# Altium PCB VNA_v5.PcbDoc (part 2 of 3)
Units mm, origin at the board's own origin, x right, y up, seen from the top; angles counter-clockwise.
Board outline 179 x 180 mm, 2 copper layers (Top Layer, Bottom Layer), stack 1.601 mm thick; 281 components, 184 nets, 845 pads, 2024 vias.
Unrouted connection lines stored in the file: 5.
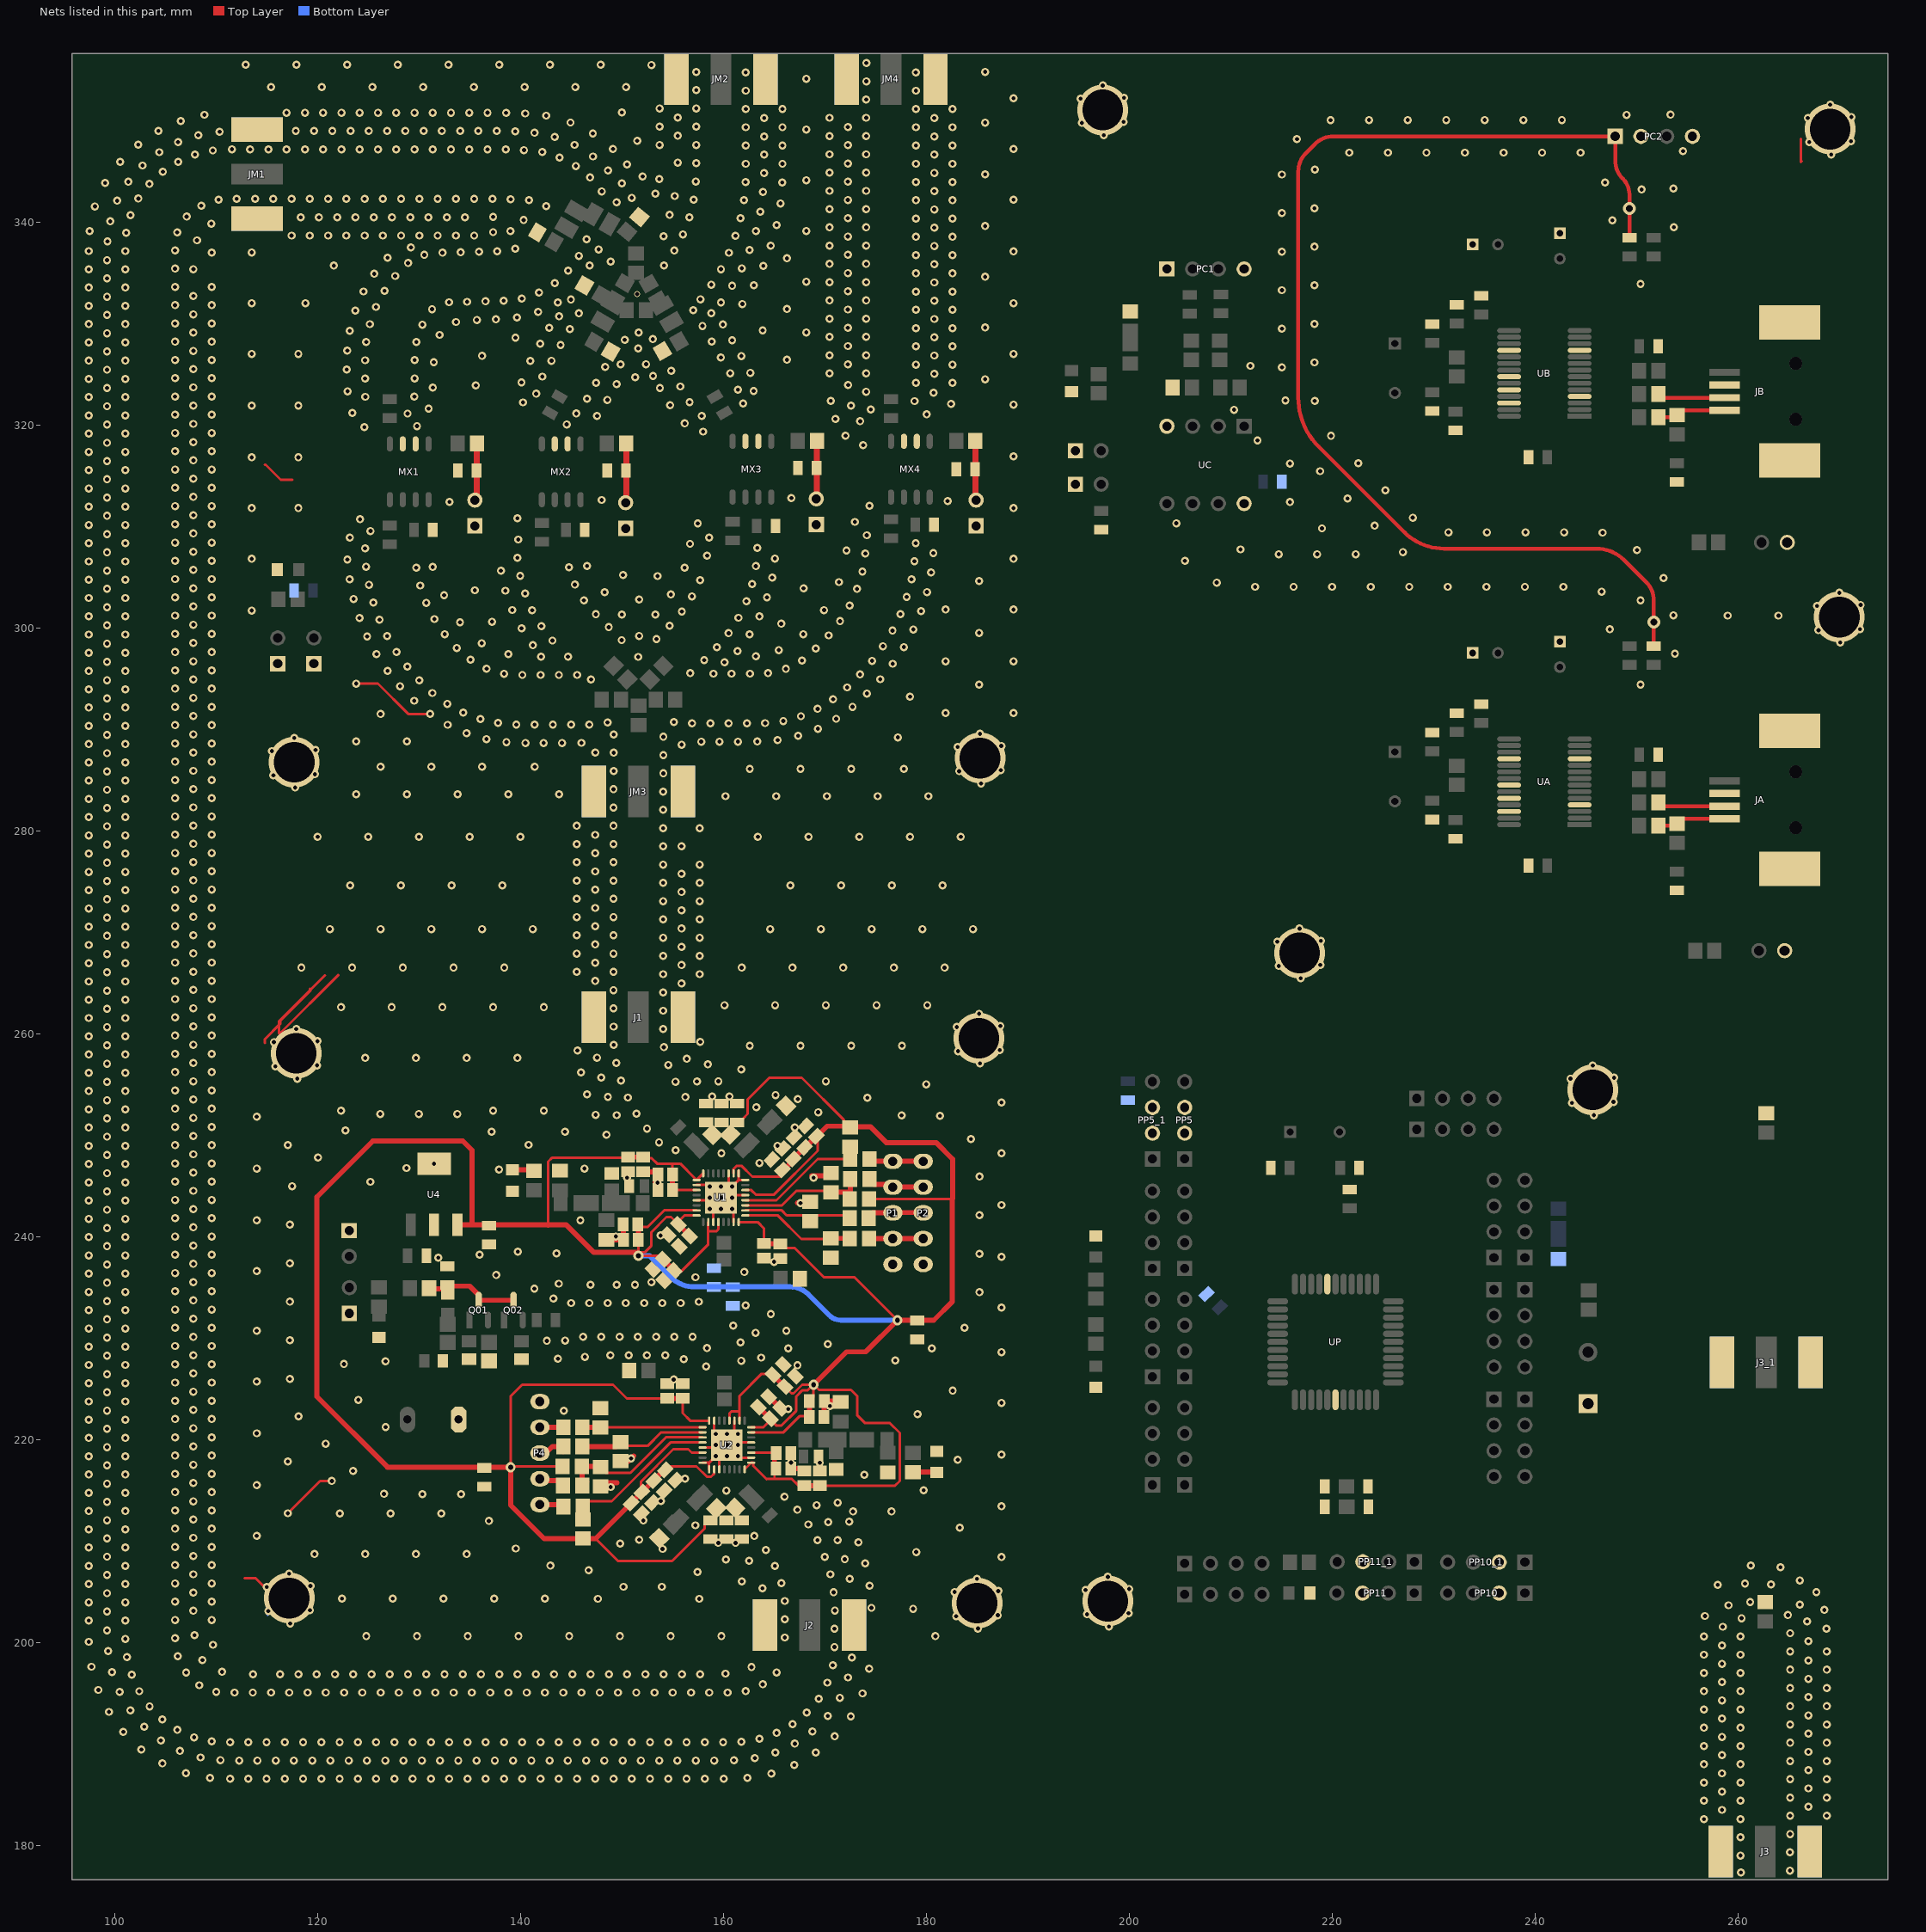
[diagram p2: the nets of this part, all layers, seen from the top]

## Via types
v1: diameter 0.8, hole 0.4, Top Layer to Bottom Layer, 1978 vias
v2: diameter 0.6, hole 0.4, Top Layer to Bottom Layer, 19 vias
v3: diameter 5, hole 4, Top Layer to Bottom Layer, 12 vias
v4: diameter 1, hole 0.5, Top Layer to Bottom Layer, 8 vias
v5: diameter 1.27, hole 0.711, Top Layer to Bottom Layer, 7 vias

## Nets (pads, with @x,y where several pads share a name; then routed paths per layer and width w, separated by ;. In a path a pad name is that pad's centre, name@x,y a point inside that pad or via, vN(x,y) a via of type N, cw(c..) or ccw(c..) an arc to the next point about the centre after c; other vN are vias at no path point)
AVDD1: C05.2 C07.1 C08.1 C09.2 C10.1 C11.1 C12.1 C16.1 C17.1 C18.1 C19.1 C21.1 C22.1 C26.1 C27.1 C28.1 C29.1 C110.1 C111.1 C112.1 C113.1 C114.1 C115.1 C117.1 C118.1 C119.1 C120.1 C123.1 C124.1 C125.1 C210.1 C211.1 C212.1 C213.1 C214.1 C215.1 C217.1 C218.1 C219.1 C220.1 C223.1 C224.1 C225.1 R15.2 R17.1 R25.2 R27.1 R43.2 R48.2 R413.2 R419.2 U1.6 U1.10 U1.16 U1.17 U1.19 U1.23 U1.24 U1.26 U1.28 U1.32 U2.6 U2.10 U2.16 U2.17 U2.19 U2.23 U2.24 U2.26 U2.28 U2.32 U4.3 | length 440.5
  Top Layer w0.254: v4(139.02,217.26) 139.02,224.24 140.16,225.38 149.13,225.38 150.476,224.034 C219.1@154.46,224.034 ; v4@139.04,217.24 v4@139.04,217.28 ; v4@139.1,217.34 R413.2@144.16,217.34 ; 142.73,241.16 142.73,247.381 143.129,247.78 C19.1@150.59,247.78 ; 147.404,210.22 149.604,208.02 154.948,208.02 158.167,211.239 158.167,211.677 158.515,212.025 C225.1@158.74,212.025 ; C22.1@150.897,213.713 151.392,214.208 ; C113.1@151.55,240.89 C113.1@151.616,240.824 ; v4@151.606,238.584 C112.1@151.606,239.65 ; v4(151.61,238.11) C117.1@153.709,238.11 ; v4@151.61,238.423 152.227,238.423 152.91,239.106 152.91,240.44 154.38,241.91 ; C113.1@151.64,240.96 152.56,240.96 154.173,242.573 U1.23@157.358,242.573 ; C21.1@151.887,214.703 151.887,215.857 155.057,219.027 156.543,219.027 156.873,218.697 U2.6@157.943,218.697 ; C18.1@152.64,247.72 152.921,247.72 153.461,247.18 154.98,247.18 ; C27.1@153.127,215.623 C27.1@153.227,215.623 ; C117.1@154.067,237.724 C117.1@154.067,237.753 ; C26.1@154.197,217.013 C26.1@154.267,217.013 154.598,217.345 157.345,217.345 158.37,216.32 158.405,216.32 158.78,216.32 159.093,216.633 U2.10@159.093,217.047 ; 154.38,241.92 154.84,241.92 C115.1@155.565,241.195 ; C111.1@154.98,246.136 154.98,247.18 ; C110.1@155,244.58 C110.1@155.076,244.58 ; C110.1@155.076,244.573 U1.19@157.358,244.573 ; C118.1@155.198,236.593 155.244,236.547 155.836,236.547 158.508,239.218 158.508,240.525 ; C115.1@155.545,241.455 156.163,242.073 U1.24@157.358,242.073 ; C220.1@155.986,223.703 155.986,222.584 156.723,221.847 U2.32@158.593,221.847 ; C114.1@156.567,240.433 C114.1@156.663,240.433 ; U1.16@158.008,246.223 U1.17@157.358,245.573 157.356,245.575 157.18,245.575 157.18,245.751 155.751,247.18 154.98,247.18 ; U1.26@158.508,241.423 158.508,240.525 ; U1.28@159.508,241.423 159.506,241.421 159.506,240.711 159.319,240.525 158.508,240.525 ; U2.28@160.59,221.92 160.59,222.554 160.781,222.745 161.593,222.745 ; U1.10@161.008,246.223 161.008,246.663 161.319,246.975 161.775,246.975 162.853,245.897 C16.1@165.66,245.897 ; C125.1@161.36,251.245 161.585,251.245 161.933,251.593 161.933,251.626 162.387,252.08 162.387,253.507 164.52,255.64 167.73,255.64 171.867,251.503 171.867,251.323 172.44,250.75 R43.2@172.495,250.75 ; U1.32@161.508,241.423 163.377,241.423 164,240.8 C120.1@164,239.326 ; U2.26@161.593,221.847 161.593,222.745 ; U2.16@162.093,217.047 U2.17@162.68,217.634 ; U1.6@162.158,244.573 162.757,244.573 163.23,244.1 164.955,244.1 169.3,248.445 C12.1@169.3,249.71 ; U2.17@162.743,217.697 162.928,217.697 162.93,217.695 162.93,217.4 164.25,216.08 ; U2.19@162.743,218.697 C210.1@165.024,218.697 ; U2.23@162.743,220.697 165.927,220.697 167.54,222.31 C213.1@168.474,222.31 ; U2.24@162.743,221.197 163.937,221.197 C215.1@164.555,221.815 ; C214.1@163.437,223.187 C214.1@163.467,223.187 ; 164.25,216.09 166.76,216.09 167.406,215.444 C28.1@168,215.444 ; C120.1@164.476,239.371 164.523,239.323 164.529,239.323 C120.1@164.577,239.276 ; C215.1@164.772,221.815 165.237,221.35 165.72,221.35 ; C218.1@164.869,226.358 164.767,226.461 163.761,226.461 161.593,224.293 161.593,222.745 ; 165.034,216.136 C211.1@165.034,217.11 ; C119.1@165.6,239.276 165.996,238.88 167.01,238.88 169.89,236 172.9,236 v4(177.15,231.75) ; 165.72,221.36 167.19,222.83 167.19,224.24 167.799,224.849 168.319,224.849 v4@168.86,225.39 ; C217.1@166.029,225.199 C217.1@166.057,225.199 166.713,224.543 166.923,224.543 167.77,225.39 v4@168.86,225.39 ; C217.1@166.128,224.817 C217.1@166.128,224.908 ; C212.1@168.484,223.79 168.885,224.19 v4@168.885,225.385 ; C29.1@169.51,215.444 176.924,215.444 177.38,215.9 177.38,220.637 176.418,221.6 173.97,221.6 173.171,222.399 173.171,224.279 172.57,224.88 169.412,224.88 168.902,225.39 v4(168.89,225.39) v4@168.86,225.39 ; R48.2@174.37,243.7 182.565,243.7 182.59,243.725
  Top Layer w0.5: U4.3@133.78,241.16 135.22,241.16 ; v4@139.04,217.24 139.04,213.51 142.33,210.22 R419.2@146.15,210.22 147.404,210.22 C22.1@150.897,213.713 ; v4@139.1,217.34 139.04,217.28 v4(139.02,217.26) 126.89,217.26 119.93,224.22 119.93,243.89 125.45,249.41 134.31,249.41 135.22,248.5 135.22,241.16 ; 142.73,241.115 142.765,241.15 ; C19.1@150.59,247.826 C18.1@152.016,247.826 ; 151.392,214.208 151.887,214.703 C26.1@154.197,217.013 ; v4@151.445,238.423 147.227,238.423 144.49,241.16 142.73,241.16 135.22,241.16 ; C112.1@151.616,239.65 C113.1@151.616,240.824 ; C117.1@154.067,237.724 C118.1@155.12,236.671 ; C219.1@154.46,224.034 C220.1@155.97,224.034 ; C110.1@154.98,244.6 C111.1@154.98,245.92 ; C115.1@155.563,241.193 C114.1@156.679,240.078 ; C214.1@163.467,223.187 C215.1@164.627,222.027 ; C120.1@164.577,239.276 C119.1@165.6,239.276 ; C218.1@164.869,226.358 C217.1@166.029,225.199 ; C211.1@165.034,217.206 C210.1@165.034,218.64 ; C16.1@165.865,246.495 C17.1@166.945,247.575 ; C17.1@166.883,247.647 C11.1@168.003,248.767 168.053,248.767 C12.1@169.153,249.867 169.207,249.867 170.22,250.88 R43.2@172.295,250.88 ; C28.1@168,215.444 C29.1@169.51,215.444 ; C213.1@168.484,222.24 C212.1@168.484,223.79 ; v4(168.89,225.39) 172.13,228.63 174.03,228.63 v4(177.15,231.75) 180.74,231.75 182.565,233.575 182.565,243.7 ; R43.2@172.47,250.83 174.48,250.83 176.05,249.26 180.97,249.26 182.59,247.64 182.59,243.725
  Bottom Layer w0.5: v4(151.61,238.11) 152.71,238.11 154.857,235.963 ccw(c157.097,238.203) 157.097,235.035 160.93,235.035 166.583,235.035 cw(c166.583,232.495) 168.379,234.291 170.44,232.23 ccw(c171.599,233.389) 171.599,231.75 v4(177.15,231.75)
CE1: R42.1 R43.1 U1.4 | length 12.6
  Top Layer w0.254: U1.4@162.158,243.573 165.226,243.573 169.293,247.64 R42.1@172.48,247.64 R42.1@172.31,247.81 ; R42.1@172.5,247.75 R42.1@172.77,247.48
CE1A: P1.1 P2.1 R42.2 | length 5.4
  Top Layer w0.5: R42.2@174.36,247.62 174.568,247.412 P1.1@176.7,247.412 P2.1@179.7,247.412
CE2: R418.1 R419.1 U2.4 | length 14
  Top Layer w0.254: R418.1@146.13,212.92 R418.1@146.21,212.84 ; R418.1@146.45,213.91 149,213.91 154.787,219.697 U2.4@157.943,219.697
CE2A: P4.5 R418.2 | length 2.3
  Top Layer w0.254: R418.2@144.06,213.57 R418.2@144.18,213.45
  Top Layer w0.5: P4.5@141.91,213.57 R418.2@144.06,213.57
CLK1: R44.1 R45.2 U1.1 | length 11.7
  Top Layer w0.254: U1.1@162.158,242.073 165.377,242.073 167.69,239.76 R45.2@171.22,239.76
  Top Layer w0.5: R45.2@171.16,239.82 R44.1@172.81,239.82
CLK1A: P1.4 P2.4 R44.2 | length 5.1
  Top Layer w0.5: R44.2@174.572,239.792 P1.4@176.7,239.792 P2.4@179.7,239.792
CLK2: R416.2 R417.1 U2.1 | length 12.1
  Top Layer w0.254: R417.1@146.12,221.24 R417.1@146.16,221.2 ; R416.2@147.77,221.2 U2.1@157.939,221.2 ; U2.1@157.943,221.197 U2.1@158.22,221.197
  Top Layer w0.5: R417.1@146.16,221.2 R416.2@147.77,221.2
CLK2A: P4.2 R417.2 | length 2.3
  Top Layer w0.254: P4.2@141.89,221.41 P4.2@141.9,221.42 ; R417.2@144.17,221.19 R417.2@144.22,221.24
  Top Layer w0.5: P4.2@141.91,221.19 R417.2@144.17,221.19
CLK2B: 
DA+: JA.3 RA1.1 RA3.2 | length 6.8
  Top Layer w0.381: RA1.1@252.156,280.501 253.939,280.501 254,280.562 254,280.582 254.585,281.166 JA.3@258.7,281.166
DA-: JA.2 RA2.2 | length 6.7
  Top Layer w0.381: RA2.2@252.156,282.787 252.527,282.416 JA.2@258.7,282.416
DATA1: R46.1 R47.2 U1.2 | length 11.1
  Top Layer w0.254: U1.2@162.158,242.573 165.747,242.573 166.23,242.09 168.92,242.09 172.15,242.09 R46.1@172.43,241.81 ; R47.2@168.56,241.69 R47.2@168.93,242.06
DATA1A: P1.3 P2.3 R46.2 | length 5.5
  Top Layer w0.254: R46.2@174.298,241.611 R46.2@174.679,241.992
  Top Layer w0.5: R46.2@174.709,242.332 P1.3@176.73,242.332 ; P1.3@176.73,242.36 P2.3@179.7,242.36
DATA2: R414.2 R415.1 U2.2 | length 13.2
  Top Layer w0.254: R415.1@146.11,219.3 R415.1@146.53,219.72 ; R414.2@150.02,219.703 150.373,219.35 152.53,219.35 153.877,220.697 U2.2@157.943,220.697
  Top Layer w0.5: R415.1@146.11,219.3 149.42,219.3 R414.2@149.87,219.75
DATA2A: P4.3 R415.2 | length 2.8
  Top Layer w0.254: R415.2@143.57,219.29 R415.2@144.2,218.66
  Top Layer w0.5: P4.3@141.91,218.65 142.49,218.65 143.13,219.29 R415.2@143.57,219.29
DB+: JB.3 RB1.1 RB3.2 | length 6.8
  Top Layer w0.381: RB1.1@252.156,320.76 253.939,320.76 254,320.821 254,320.841 254.585,321.425 JB.3@258.7,321.425
DB-: JB.2 RB2.2 | length 6.7
  Top Layer w0.381: RB2.2@252.156,323.046 252.527,322.675 JB.2@258.7,322.675
GND: "RN1 50 OHm.1" "RN 50 Ohm.1" "SW RST.1" C01.2 C03.1 C05.1 C06.1 C07.2 C08.2 C09.1 C10.2 C11.2 C12.2 C13.1 C15.2 C16.2 C17.2 C18.2 C19.2 C21.2 C22.2 C23.1 C25.2 C26.2 C27.2 C28.2 C29.2 C110.2 C111.2 C112.2 C113.2 C114.2 C115.2 C117.2 C118.2 C119.2 C120.2 C123.2 C124.2 C125.2 C210.2 C211.2 C212.2 C213.2 C214.2 C215.2 C217.2 C218.2 C219.2 C220.2 C223.2 C224.2 C225.2 CA1.1 CA2.1 CA5.1 CA8.1 CA9.1 CA10.1 CA11.1 CA12.1 CA13.2 CA14.1 CB1.1 CB2.1 CB5.1 CB8.1 CB9.1 CB10.1 CB11.1 CB12.1 CB13.2 CB14.1 CC3.2 CC4.2 CM13.1 CM14.2 CM15.2 CM23.1 CM24.2 CM33.1 CM34.2 CM43.1 CM44.2 CP1.1 CP2.1 CP3.1 CP4.1 CP5.1 CP6.1 CP7.2 CP8.1 CP9.1 D1.1 D2.1 D41.1 DA.2 DB.2 DC.1 DM6.1 DP1.1 DP2.1 DP3.1 J1.2 J1.3 J2.2 J2.3 J3.2 J3.3 J3_1.2 J3_1.3 JA.4 JA.Shell JB.4 JB.Shell JM1.2 JM1.3 JM2.2 JM2.3 JM3.2 JM3.3 JM4.2 JM4.3 MX1.2 MX1.3 MX2.2 MX2.3 MX3.2 MX3.3 MX4.2 MX4.3 P1.5 P2.5 P3.1 P4.1 P5.1 PC1.1 PC1.4 PC2.2 PC2.4 PC3.1 PC4.1 PM1.1 PM2.1 PM3.1 PM4.1 PM5.1 PM6.1 PP5.2 PP5.3 PP5_1.2 PP5_1.3 PP10.2 PP10_1.2 PP11.3 PP11_1.3 R03.1 R04.1 R05.1 R11A.1 R13.2 R16.2 R19.2 R21A.1 R23.2 R26.2 R29.2 R45.1 R47.1 R410.1 R411.1 R414.1 R416.1 RC6.2 RC7.2 RP6.1 RR3.2 RR5.2 RR10.2 RR13.2 RR14A.2 U1.5 U1.8 U1.9 U1.11 U1.18 U1.21 U1.27 U1.31 U1.33 U2.5 U2.8 U2.9 U2.11 U2.18 U2.21 U2.27 U2.31 U2.33 U4.2 U4.4 UA.4 UA.11 UA.18 UA.22 UA.24 UA.26 UB.4 UB.11 UB.18 UB.22 UB.24 UB.26 UC.4 UC.8 UP.6 UP.29 Y01.1 | length 107.6
  Top Layer w0.254: 112.8,206.3 113.9,206.3 115,205.2 116.2,206.4 v3@117.1,206.4 ; 114.807,259.083 114.81,259.086 114.81,259.46 116.306,260.956 116.306,261.266 119.306,264.267 119.306,264.333 119.32,264.333 120.713,265.726 120.706,265.733 ; 114.807,316.083 114.873,316.083 116.357,314.6 117.5,314.6 ; v1(117.065,212.718) 120.247,215.9 v1(121.4,215.9) ; 119.227,264.413 119.227,264.252 116.2,261.226 116.2,260 116.276,260 122.064,265.788 ; v1(123.8,294.5) 125.948,294.5 128.932,291.516 v1(131.079,291.516) ; C110.2@153.544,244.576 C110.2@153.55,244.57 ; C111.2@153.544,245.826 C111.2@153.544,246.12 ; U1.21@157.358,243.573 U1.33@159.508,243.573 ; U1.18@157.358,245.073 158.508,245.073 v2(158.658,244.923) v2(159.758,243.823) ; U2.8@157.943,217.697 158.593,217.697 ; U2.5@157.943,219.197 U2.33@160.093,219.197 ; U2.9@158.593,217.047 158.593,217.697 ; U1.27@159.008,241.423 159.008,243.073 U1.33@159.508,243.573 ; U2.33@159.09,220.85 159.093,220.853 U2.31@159.093,221.847 ; U2.11@159.593,217.047 U2.33@159.593,218.697 ; U1.11@160.508,246.223 U1.33@160.508,244.573 ; U1.31@161.008,241.423 161.008,242.573 v2(160.858,242.723) v2(159.758,243.823) ; U2.27@161.093,221.847 161.093,220.197 U2.33@160.593,219.697 ; U1.9@161.508,246.521 U1.9@161.508,246.223 161.508,245.573 ; U1.5@162.158,244.073 U1.33@160.008,244.073 ; U1.8@162.158,245.573 161.508,245.573 ; U2.18@162.743,218.197 161.593,218.197 v2(161.443,218.347) v2(160.343,219.447) ; U2.21@162.743,219.697 U2.33@160.593,219.697 ; C218.2@165.895,227.385 C218.2@165.924,227.385 ; R19.2@166.172,252.882 R19.2@166.172,252.935 ; 266.2,345.9 266.3,346 266.2,346.1 266.2,348.2 266.2,346 ; 158.593,217.697 v2(159.243,218.347) U2.33@159.593,218.697 ; U1.33@159.508,243.573 v2(159.758,243.823) ; U2.33@159.593,218.697 U2.33@160.093,219.197 ; v2(159.758,243.823) U1.33@160.008,244.073 ; U1.33@160.008,244.073 U1.33@160.508,244.573 ; U2.33@160.093,219.197 v2(160.343,219.447) ; v2(160.343,219.447) U2.33@160.593,219.697 ; U1.33@160.508,244.573 v2(160.858,244.923) 161.508,245.573
  Top Layer w0.5: R411.1@147.9,215.36 148.28,215.74 149.5,215.74 ; R13.2@148.46,239.665 150.109,239.665 150.124,239.68 C113.2@150.124,241.19 ; R414.1@149.87,217.85 150.64,217.85 v1@151.16,218.37 ; C18.2@152.55,246.374 153.29,246.374 C111.2@153.544,246.12 ; C111.2@153.28,245.74 153.28,244.84 C110.2@153.544,244.576 ; C214.2@164.463,224.213 164.493,224.213 165.293,223.413 C215.2@165.653,223.053 ; C210.2@166.646,218.66 166.646,217.12 C211.2@166.636,217.11 C28.2@167.488,217.11 ; v1@167.294,243.322 168.462,243.322 R47.1@168.56,243.42 ; v1@168.71,245.97 170.3,245.97 R410.1@170.6,246.27 ; C213.2@169.926,222.23 C212.2@169.926,223.78 ; C212.2@169.936,223.79 171.475,223.79 R23.2@171.57,223.695
  Bottom Layer w0.254: v3@115,205.2 115.05,205.15 115.05,202.75 v1@115.1,202.7
  other v1: 260.3,177.3 265.139,177.496 260.261,178.977 265.139,179.296 260.253,180.777 265.147,181.096 256.642,182.577 260.253,182.577 265.147,182.896 268.758,182.896 258.444,183.477 266.956,183.796 256.642,184.377 260.253,184.377 265.147,184.696 268.758,184.696 258.444,185.277 266.956,185.596 256.642,186.177 260.253,186.177 265.147,186.496 268.758,186.496 111.368,186.542 113.168,186.542 114.968,186.542 116.768,186.542 118.568,186.542 120.368,186.542 122.168,186.542 123.968,186.542 125.768,186.542 127.568,186.542 129.368,186.542 131.168,186.542 132.968,186.542 134.768,186.542 136.568,186.542 138.368,186.542 140.168,186.542 141.968,186.542 143.768,186.542 145.568,186.542 147.368,186.542 149.168,186.542 150.968,186.542 152.768,186.542 154.568,186.542 156.368,186.542 158.168,186.542 160.039,186.542 162.357,186.625 109.405,186.628 164.723,187.068 258.444,187.077 107.02,187.108 266.956,187.396 166.989,187.907 256.642,187.977 260.253,187.977 104.702,188.063 265.147,188.296 268.758,188.296 112.268,188.344 114.068,188.344 115.868,188.344 117.668,188.344 119.468,188.344 121.268,188.344 123.068,188.344 124.868,188.344 126.668,188.344 128.468,188.344 130.268,188.344 132.068,188.344 133.868,188.344 135.668,188.344 137.468,188.344 139.268,188.344 141.068,188.344 142.868,188.344 144.668,188.344 146.468,188.344 148.268,188.344 150.068,188.344 151.868,188.344 153.668,188.344 155.468,188.344 157.268,188.344 159.086,188.344 161.033,188.374 110.428,188.386 163.099,188.588 108.452,188.647 258.444,188.877 165.126,189.129 169.091,189.13 266.956,189.196 106.425,189.288 102.626,189.433 256.642,189.777 260.253,189.777 167.038,190.009 265.147,190.096 268.758,190.096 111.368,190.153 113.168,190.153 114.968,190.153 116.768,190.153 118.568,190.153 120.368,190.153 122.168,190.153 123.968,190.153 125.768,190.153 127.568,190.153 129.368,190.153 131.168,190.153 132.968,190.153 134.768,190.153 136.568,190.153 138.368,190.153 140.168,190.153 141.968,190.153 143.768,190.153 145.568,190.153 147.368,190.153 149.168,190.153 150.968,190.153 152.768,190.153 154.568,190.153 156.368,190.153 158.168,190.153 159.968,190.153 161.768,190.188 109.57,190.235 104.546,190.31 163.544,190.481 107.814,190.631 258.444,190.677 170.971,190.729 266.956,190.996 165.245,191.069 100.851,191.162 168.778,191.215 106.169,191.362 256.642,191.577 260.253,191.577 102.9,191.666 265.147,191.896 268.758,191.896 166.821,191.939 104.694,192.393 258.444,192.477 172.555,192.706 170.286,192.735 266.956,192.796 168.221,193.07 99.44,193.139 101.536,193.287 256.642,193.377 260.253,193.377 103.438,193.683 265.147,193.696 268.758,193.696 258.444,194.277 169.388,194.441 171.478,194.531 266.956,194.596 173.706,194.963 111.809,195.047 113.609,195.047 115.409,195.047 117.209,195.047 119.009,195.047 120.809,195.047 122.609,195.047 124.409,195.047 126.209,195.047 128.009,195.047 129.809,195.047 131.609,195.047 133.409,195.047 135.209,195.047 137.009,195.047 138.809,195.047 140.609,195.047 142.409,195.047 144.209,195.047 146.009,195.047 147.809,195.047 149.609,195.047 151.409,195.047 153.209,195.047 155.009,195.047 156.809,195.047 158.609,195.047 160.409,195.047 100.48,195.102 110.01,195.117 102.425,195.171 162.204,195.18 256.642,195.177 260.253,195.177 98.392,195.299 265.147,195.496 268.758,195.496 108.332,195.766 163.872,195.857 170.253,196.019 258.444,196.077 266.956,196.396 172.281,196.531 101.673,196.806 113.627,196.856 116.309,196.856 118.109,196.856 119.909,196.856 121.709,196.856 123.509,196.856 125.309,196.856 127.109,196.856 128.909,196.856 130.709,196.856 132.509,196.856 134.309,196.856 136.109,196.856 137.909,196.856 139.709,196.856 141.509,196.856 143.309,196.856 145.109,196.856 146.909,196.856 148.709,196.856 150.509,196.856 152.309,196.856 154.109,196.856 155.909,196.856 157.709,196.856 160.198,196.909 256.642,196.977 260.253,196.977 107.043,197.023 165.235,197.033 99.741,197.057 110.587,197.088 265.147,197.296 268.758,197.296 174.375,197.403 162.769,197.552 97.715,197.586 170.779,197.741 258.444,197.877 266.956,198.196 108.643,198.253 172.664,198.51 101.197,198.542 106.214,198.62 256.642,198.777 260.253,198.777 265.147,199.096 268.758,199.096 99.351,199.127 170.947,199.533 258.444,199.677 109.696,199.749 97.453,200.047 266.949,200.104 101.053,200.336 105.947,200.4 166.053,200.471 256.642,200.577 260.253,200.577 124.8,200.6 129.8,200.6 134.8,200.6 139.8,200.6 144.8,200.6 149.8,200.6 154.8,200.6 159.8,200.6 180.9,200.6 107.857,200.693 265.147,200.896 99.247,201.164 170.947,201.333 268.733,201.327 185.095,201.353 258.499,201.529 197.995,201.553 117.295,201.853 266.822,202.066 97.442,202.136 101.053,202.136 105.947,202.2 109.558,202.2 166.061,202.271 260.359,202.374 182.94,202.568 256.755,202.588 187.04,202.668 264.932,202.683 195.84,202.768 199.94,202.868 99.244,203.036 115.14,203.068 107.756,203.1 170.991,203.132 119.24,203.168 268.508,203.188 178.7,203.3 174.592,203.393 259.082,203.647 266.11,203.707 97.442,203.936 101.053,203.936 261.206,203.963 105.947,204 109.558,204 166.041,204.071 122.4,204.3 127.4,204.3 132.4,204.3 137.4,204.3 142.4,204.3 147.63,204.283 157.63,204.283 99.244,204.836 107.756,204.9 170.861,204.928 182.795,204.953 267.732,204.946 187.095,205.053 195.695,205.153 199.995,205.253 163.837,205.325 114.995,205.453 150.142,205.471 153.942,205.471 119.295,205.553 174.414,205.574 258.018,205.66 263.264,205.693 97.442,205.736 101.053,205.736 105.947,205.8 109.558,205.8 260.7,205.8 165.707,205.84 161.802,205.99 266.105,206.098 172.452,206.246 184.995,206.253 197.895,206.453 99.244,206.636 107.756,206.7 170.539,206.699 117.195,206.753 157.454,206.922 146.713,207.108 264.2,207.4 165.083,207.528 97.442,207.536 101.053,207.536 142.939,207.553 261.266,207.573 105.947,207.6 109.558,207.6 173.984,207.78 162.541,208.039 160.255,208.171 171.961,208.189 170,208.416 187.4,208.4 99.244,208.436 107.756,208.5 119.7,208.7 124.7,208.7 129.7,208.7 134.7,208.7 179,208.9 164.184,209.088 154,209.2 139.536,209.243 97.442,209.336 101.053,209.336 105.947,209.4 109.558,209.4 149.83,209.729 159.5,209.8 161.2,209.8 173.31,209.859 169.28,210.066 171.248,210.062 151.7,210.1 99.244,210.236 107.756,210.3 163.036,210.474 114,210.5 97.442,211.136 101.053,211.136 105.947,211.2 109.558,211.2 183.3,211.3 157.23,211.529 168.367,211.617 170.328,211.84 172.392,211.899 136.879,211.96 152.1,212 99.244,212.036 107.756,212.1 122.2,212.7 127.2,212.7 132.2,212.7 172.773,212.895 176.573,212.895 97.442,212.936 101.053,212.936 105.947,213 109.558,213 167.293,213.061 187.4,213.4 169.197,213.516 171.265,213.771 99.244,213.836 107.756,213.9 153.83,213.929 166.024,214.338 130.339,214.593 134.139,214.593 126.54,214.628 97.442,214.736 101.053,214.736 105.947,214.8 109.558,214.8 160.29,214.96 179.748,214.984 148.9,215.3 114,215.5 99.244,215.636 107.756,215.7 156.23,216.129 173.9,216.5 97.442,216.536 101.053,216.536 105.947,216.6 109.558,216.6 123.487,216.892 99.244,217.436 107.756,217.5 166.662,217.71 169.5,217.7 117.065,217.818 183.1,218 150.9,218.11 97.442,218.336 101.053,218.336 105.947,218.4 109.558,218.4 187.4,218.5 99.244,219.236 107.756,219.3 120.8,219.579 97.442,220.136 101.053,220.136 105.947,220.2 109.558,220.2 114,220.6 99.244,221.036 107.756,221.1 126.706,221.215 97.442,221.936 101.053,221.936 105.947,222 109.558,222 118.113,222.266 179.128,222.494 99.244,222.836 144.274,222.831 107.756,222.9 166.4,223 170.5,223.3 187.4,223.6 97.442,223.736 101.053,223.736 105.947,223.8 109.558,223.801 124.019,223.902 99.244,224.636 107.756,224.7 182.6,224.8 97.442,225.536 101.053,225.536 105.947,225.6 109.558,225.6 114,225.7 155.1,225.9 117.263,225.969 99.244,226.436 107.756,226.5 158.304,227.2 167.3,227.3 97.442,227.336 101.053,227.336 105.947,227.401 109.558,227.401 122.597,227.425 126.7,227.7 161.755,227.753 176.944,227.773 156.1,227.9 143.694,227.94 163.73,228.057 146.358,228.135 99.244,228.236 107.756,228.301 148.862,228.294 150.662,228.294 152.462,228.294 154.262,228.294 187.4,228.6 180.555,228.958 166.391,228.979 158.383,228.998 97.442,229.136 101.053,229.136 105.947,229.201 109.558,229.201 170.3,229.4 161.682,229.552 142.598,229.713 144.397,229.748 117.263,229.769 99.244,230.036 107.756,230.101 146.162,230.103 147.962,230.103 149.762,230.103 151.562,230.103 153.362,230.103 155.162,230.103 156.962,230.103 163.174,230.512 114,230.7 166.2,230.7 97.442,230.936 101.053,230.936 183.76,230.999 105.947,231.001 109.558,231.001 160.973,231.206 99.244,231.836 107.756,231.901 164.673,232.368 97.442,232.736 101.053,232.736 105.947,232.801 109.558,232.801 187.4,233 162.2,233.2 144.983,233.437 146.783,233.437 148.583,233.437 150.383,233.437 152.183,233.437 153.983,233.437 155.783,233.437 117.263,233.569 157.579,233.566 99.244,233.636 107.756,233.701 143.239,233.882 185.232,234.502 97.442,234.536 101.053,234.536 105.947,234.601 109.558,234.601 141.369,234.852 146.897,235.246 149.483,235.246 151.283,235.246 143.775,235.348 99.244,235.436 107.756,235.501 152.9,235.5 157.252,235.982 137.6,236.2 97.442,236.336 101.053,236.336 105.947,236.401 109.558,236.401 162.054,236.494 114,236.6 99.244,237.236 107.756,237.301 117.263,237.369 165,237.5 131.9,237.9 187.4,238 97.442,238.136 101.053,238.136 105.947,238.201 109.558,238.201 135.956,238.202 185.232,238.302 143.541,238.338 139.744,238.493 99.244,239.036 107.756,239.101 97.442,239.936 101.053,239.936 105.947,240.001 109.558,240.001 149.4,240 153.8,240.1 153.8,240.1 99.244,240.836 107.756,240.901 117.263,241.169 114,241.6 145.9,241.6 97.442,241.736 101.053,241.736 105.947,241.801 109.558,241.801 185.232,242.102 99.244,242.636 107.756,242.701 187.4,243.1 167.6,243.3 97.442,243.536 101.053,243.536 105.947,243.601 109.558,243.601 99.244,244.436 107.756,244.501 117.494,244.962 153.5,245.3 97.442,245.336 101.053,245.336 105.947,245.401 109.558,245.401 125.202,245.391 150.5,245.8 168.9,245.8 185.257,245.902 99.244,246.236 107.756,246.301 137.887,246.603 114,246.7 146.3,246.7 128.753,246.743 97.442,247.136 101.053,247.136 131.48,247.16 105.947,247.201 109.558,247.201 163.541,247.245 120.047,247.778 99.244,248.036 107.756,248.101 159.8,248.2 187.4,248.2 155.283,248.515 97.442,248.936 101.053,248.936 165.341,248.945 105.947,249.001 109.558,249.001 117.065,249.018 140.806,249.036 153.655,249.283 184.397,249.604 99.244,249.836 107.756,249.901 148.481,250.028 144.379,250.329 137.15,250.331 122.734,250.465 152.469,250.638 97.442,250.736 101.053,250.736 167.041,250.745 105.947,250.801 109.558,250.801 99.244,251.636 107.756,251.701 114,251.8 181.36,251.888 177.561,251.927 245.795,251.953 149.471,251.956 147.399,251.997 126.175,252.077 129.975,252.077 133.775,252.077 151.432,252.109 169.341,252.245 122.3,252.4 137.3,252.4 142.3,252.4 97.442,252.536 101.053,252.536 105.947,252.601 109.558,252.601 163.241,252.745 243.64,253.168 187.4,253.2 247.74,253.268 99.244,253.436 107.756,253.501 167.341,253.545 174.19,253.681 150.585,253.697 156.247,253.744 148.611,253.767 158.9,253.8 160.6,253.8 165.141,253.945 146.562,254.014 97.442,254.336 101.053,254.336 105.947,254.401 109.558,254.401 180,255 99.244,255.236 155.269,255.256 107.756,255.301 157.389,255.285 159.505,255.302 170.1,255.3 149.911,255.366 117.995,255.553 243.495,255.553 247.795,255.653 147.967,255.664 97.442,256.136 101.053,256.136 145.958,256.175 105.947,256.201 109.558,256.201 161.755,256.48 115.84,256.768 245.695,256.853 119.94,256.868 154.557,256.909 158.466,256.963 99.244,257.036 185.295,257.053 107.756,257.101 149.447,257.105 156.4,257.513 124.7,257.6 129.7,257.6 134.7,257.6 139.7,257.6 147.545,257.627 97.442,257.936 101.053,257.936 105.947,258.001 109.558,258.001 183.14,258.268 145.608,258.347 187.24,258.368 154.13,258.658 162.6,258.8 167.6,258.8 172.6,258.8 177.6,258.8 99.244,258.836 149.179,258.885 107.756,258.901 115.695,259.153 157.721,259.173 119.995,259.253 97.442,259.736 101.053,259.736 105.947,259.801 109.558,259.801 117.895,260.453 154.049,260.456 99.244,260.636 182.995,260.653 149.171,260.685 107.756,260.701 187.295,260.753 97.442,261.536 101.053,261.536 105.947,261.601 109.558,261.601 185.195,261.953 154.057,262.256 99.244,262.436 149.163,262.485 107.756,262.501 122.3,262.6 127.3,262.6 132.3,262.6 137.3,262.6 142.3,262.6 160.1,262.8 165.1,262.8 170.1,262.8 175.1,262.8 180.1,262.8 97.442,263.336 101.053,263.336 105.947,263.401 109.558,263.401 154.057,264.056 99.244,264.236 149.163,264.285 107.756,264.301 155.866,264.956 97.442,265.136 101.053,265.136 147.354,265.185 105.947,265.201 109.558,265.201 216.895,265.453 154.057,265.856 157.668,265.856 99.244,266.036 107.756,266.101 145.552,266.085 149.163,266.085 118.4,266.5 123.4,266.5 128.4,266.5 133.4,266.5 138.4,266.5 161.8,266.5 166.8,266.5 171.8,266.5 176.8,266.5 181.8,266.5 214.74,266.668 155.866,266.756 218.84,266.768 97.442,266.936 101.053,266.936 147.354,266.985 105.947,267.001 109.558,267.001 154.057,267.656 157.668,267.656 99.244,267.836 107.756,267.901 145.552,267.885 149.163,267.885 155.866,268.556 97.442,268.736 101.053,268.736 147.354,268.785 105.947,268.801 109.558,268.801 214.595,269.053 218.895,269.153 154.057,269.456 157.668,269.456 99.244,269.636 107.756,269.701 145.552,269.685 149.163,269.685 121.2,270.3 126.2,270.3 131.2,270.3 136.2,270.3 141.2,270.3 164.6,270.3 169.6,270.3 174.6,270.3 179.6,270.3 184.6,270.3 155.866,270.356 216.795,270.353 97.442,270.536 101.053,270.536 147.354,270.585 105.947,270.601 109.558,270.601 154.057,271.256 157.668,271.256 99.244,271.436 145.552,271.485 149.163,271.485 107.756,271.501 155.866,272.156 97.442,272.336 101.053,272.336 105.947,272.401 109.558,272.401 147.354,272.385 154.057,273.056 157.668,273.056 99.244,273.236 145.552,273.285 149.163,273.285 107.756,273.301 155.866,273.956 97.442,274.136 101.053,274.136 105.947,274.201 109.558,274.201 147.354,274.185 123.2,274.6 128.2,274.6 133.2,274.6 138.2,274.6 166.6,274.6 171.6,274.6 176.6,274.6 181.6,274.6 154.057,274.856 157.668,274.856 99.244,275.036 145.552,275.085 149.163,275.085 107.756,275.101 155.866,275.756 97.442,275.936 101.053,275.936 105.947,276.001 109.558,276.001 147.354,275.985 154.057,276.656 157.668,276.656 99.244,276.836 145.552,276.885 149.163,276.885 107.756,276.901 97.442,277.736 101.053,277.736 147.354,277.785 105.947,277.801 109.558,277.801 154.057,278.456 155.866,278.453 99.244,278.636 107.756,278.701 145.552,278.685 149.163,278.685 120,279.4 125,279.4 130,279.4 135,279.4 140,279.4 163.4,279.4 168.4,279.4 173.4,279.4 178.4,279.4 183.4,279.4 97.442,279.536 101.053,279.536 147.354,279.585 105.947,279.601 109.558,279.601 157.668,280.242 154.057,280.256 99.244,280.436 107.756,280.501 145.552,280.485 149.163,280.485 97.442,281.336 101.053,281.336 105.947,281.401 109.558,281.401 154.071,282.056 99.244,282.236 107.756,282.301 149.163,282.285 97.442,283.136 101.053,283.136 105.947,283.201 109.558,283.201 160.2,283.4 165.2,283.4 170.2,283.4 175.2,283.4 180.2,283.4 123.8,283.6 128.8,283.6 133.8,283.6 138.8,283.6 143.8,283.6 154.071,283.856 99.244,284.036 149.163,284.085 107.756,284.101 117.795,284.253 185.395,284.653 97.442,284.936 101.053,284.936 105.947,285.001 109.558,285.001 115.64,285.468 119.74,285.568 154.079,285.656 99.244,285.836 149.185,285.885 183.24,285.868 107.756,285.901 187.34,285.968 162.6,286.1 167.6,286.1 172.6,286.1 177.8,286.1 126.2,286.3 131.2,286.3 136.2,286.3 141.4,286.3 97.442,286.736 101.053,286.736 105.947,286.801 109.558,286.801 154.079,287.456 99.244,287.636 147.376,287.691 149.185,287.685 107.756,287.701 115.495,287.853 119.795,287.953 183.095,288.253 187.395,288.353 155.879,288.479 97.442,288.536 101.053,288.536 105.947,288.601 109.558,288.601 140.485,288.65 142.288,288.647 144.088,288.647 146.001,288.654 138.611,288.733 157.815,288.774 159.615,288.774 161.426,288.774 123.8,288.8 128.8,288.8 163.33,288.791 165.349,288.936 136.639,289.033 117.695,289.153 177.2,289.2 154.079,289.256 167.373,289.346 99.244,289.436 149.185,289.485 107.756,289.501 185.295,289.553 134.68,289.6 169.308,290.049 97.442,290.336 101.053,290.336 105.947,290.401 109.558,290.401 132.813,290.436 139.588,290.462 141.388,290.456 143.188,290.456 144.988,290.456 146.788,290.456 156.915,290.583 158.715,290.583 160.515,290.583 162.315,290.583 164.115,290.604 137.795,290.616 148.574,290.68 155.12,290.716 165.903,290.811 136.039,291.015 171.114,291.026 99.244,291.236 167.641,291.281 107.756,291.301 126.2,291.5 181.9,291.6 188.6,291.6 134.352,291.643 169.287,292.008 97.442,292.136 101.053,292.136 105.947,292.201 109.558,292.201 172.726,292.213 132.775,292.51 129.512,292.807 170.815,292.96 99.244,293.036 107.756,293.101 178.4,293.2 174.14,293.52 131.32,293.57 97.442,293.936 101.053,293.936 105.947,294.001 109.558,294.001 172.188,294.124 128.121,294.241 185.2,294.4 250.4,294.4 130.019,294.814 99.244,294.836 107.756,294.901 146.958,294.917 175.46,294.929 140.181,295.35 141.981,295.35 143.781,295.35 145.581,295.35 173.46,295.397 138.385,295.475 159.007,295.477 160.807,295.477 162.607,295.477 156.732,295.528 164.407,295.525 97.442,295.736 101.053,295.736 126.892,295.765 105.947,295.801 109.558,295.801 136.655,295.971 166.156,295.949 128.833,296.168 176.692,296.455 160.1,296.6 99.244,296.636 107.756,296.701 181.9,296.7 188.6,296.7 174.657,296.742 167.753,296.78 158.104,296.803 135.081,296.844 151.594,297.131 142.012,297.159 144.681,297.159 163.2,297.2 125.806,297.408 138.798,297.406 253.79,297.441 97.442,297.536 101.053,297.536 105.947,297.601 109.558,297.601 127.772,297.622 161.398,297.712 165.446,297.806 169.108,297.965 133.717,298.018 159.366,298.087 177.787,298.097 175.729,298.187 141.229,298.279 99.244,298.436 136.173,298.479 107.756,298.501 270.095,298.553 143.146,298.742 149.972,298.786 153.4,298.9 124.883,299.153 126.862,299.175 151.7,299.2 170.367,299.251 97.442,299.336 101.053,299.336 162.58,299.352 132.532,299.373 167.869,299.369 105.947,299.401 109.558,299.401 160.517,299.471 185.2,299.5 176.666,299.725 267.94,299.768 178.717,299.834 247.373,299.85 272.04,299.868 140.099,299.944 148.699,300.059 142.051,300.17 154.7,300.2 99.244,300.236 107.756,300.301 165.7,300.4 134.037,300.544 137.2,300.6 171.494,300.655 126.104,300.807 131.519,300.861 124.128,300.967 161.488,300.986 163.548,301.118 97.442,301.136 101.053,301.136 105.947,301.201 109.558,301.201 259,301.2 264,301.2 253.655,301.238 153.3,301.3 147.426,301.332 150.001,301.315 177.439,301.35 155.9,301.6 179.473,301.644 113.5,301.7 141.148,301.727 139.182,301.749 169.921,301.744 181.9,301.8 188.6,301.8 99.244,302.036 107.756,302.101 267.795,302.153 172.433,302.19 272.095,302.253 130.705,302.466 125.494,302.501 162.262,302.611 146.247,302.692 250.4,302.7 151.7,302.8 123.547,302.847 97.442,302.936 101.053,302.936 105.947,303.001 109.558,303.001 164.295,302.993 178.065,303.038 156.9,303.1 132.465,303.222 154.82,303.28 140.445,303.384 269.995,303.453 148.3,303.5 180.065,303.524 246.572,303.564 138.502,303.66 135.5,303.7 99.244,303.836 173.167,303.834 107.756,303.901 167.9,303.9 212.402,304.041 216.202,304.041 220.002,304.041 223.802,304.041 227.602,304.041 231.402,304.041 235.202,304.041 239.002,304.041 242.802,304.041 130.108,304.165 125.056,304.247 145.357,304.257 162.842,304.315 208.625,304.458 171.382,304.503 185.2,304.6 157.7,304.7 97.442,304.736 101.053,304.736 123.15,304.781 178.534,304.776 105.947,304.801 109.558,304.801 252.673,304.909 164.808,304.946 153.5,305.1 139.969,305.12 150.1,305.2 180.475,305.451 173.7,305.553 99.244,305.636 138.07,305.638 107.756,305.701 129.721,305.923 156.182,305.933 144.789,305.965 131.353,305.997 124.787,306.027 163.197,306.08 146.559,306.104 97.442,306.536 101.053,306.536 178.827,306.552 105.947,306.601 109.558,306.601 205.486,306.599 122.935,306.735 113.5,306.8 188.6,306.8 165.073,306.829 139.704,306.9 158.399,307.1 214.731,307.253 218.531,307.253 222.331,307.253 173.994,307.329 180.695,307.375 99.244,307.436 226.971,307.462 107.756,307.501 172.13,307.615 250.06,307.668 210.96,307.724 124.677,307.823 163.344,307.874 156.707,308.276 97.442,308.336 101.053,308.336 178.957,308.347 105.947,308.401 109.558,308.401 139.769,308.699 123.182,308.898 158.582,308.891 174.129,309.124 99.244,309.236 107.756,309.301 246.666,309.378 231.466,309.412 235.266,309.412 239.066,309.412 242.866,309.412 125.217,309.54 219,309.8 224.199,310.062 97.442,310.136 101.053,310.136 105.947,310.201 109.558,310.201 157.471,310.291 204.642,310.304 172.955,310.438 124.179,310.694 139.7,310.8 227.95,310.854 99.244,311.036 107.756,311.101 113.5,311.8 118.1,311.8 188.6,311.8 97.442,311.936 101.053,311.936 105.947,312.001 109.558,312.001 174.402,312.025 133,312.4 215.855,312.396 182.1,312.5 148,312.6 221.512,312.749 166.7,312.8 99.244,312.836 107.756,312.901 225.263,313.541 97.442,313.736 101.053,313.736 105.947,313.801 109.558,313.801 99.244,314.636 107.756,314.701 218.825,315.436 97.442,315.536 101.053,315.536 105.947,315.601 109.558,315.601 215.855,316.196 222.576,316.228 99.244,316.436 107.756,316.501 113.5,316.8 118.1,316.8 188.6,316.9 97.442,317.336 101.053,317.336 105.947,317.401 109.558,317.401 173.778,317.994 99.244,318.236 107.756,318.301 212.643,318.479 172.038,318.926 219.889,318.915 97.442,319.136 101.053,319.136 105.947,319.201 109.558,319.201 157.994,319.339 124.596,319.775 129.799,319.883 99.244,320.036 144.553,320.05 107.756,320.101 156.19,320.146 173.484,320.362 171.04,320.591 147.547,320.878 157.86,320.885 97.442,320.936 101.053,320.936 105.947,321.001 109.558,321.001 180.032,321.035 128.865,321.115 145.505,321.123 123.416,321.172 210.329,321.494 174.527,321.527 130.943,321.597 99.244,321.836 107.756,321.901 113.5,321.9 118.1,321.9 172.571,321.892 154.754,321.953 188.6,322 182.436,322.071 161.94,322.119 140.239,322.216 156.666,322.232 178.835,322.345 218.288,322.362 170.581,322.366 215.4,322.4 148.567,322.463 146.551,322.588 97.442,322.736 101.053,322.736 124.709,322.77 129.535,322.786 105.947,322.801 109.558,322.801 141.541,323.069 180.709,323.174 174.077,323.27 122.949,323.311 162.978,323.33 161.442,323.475 99.244,323.636 153.741,323.65 131.36,323.669 107.756,323.701 155.757,323.786 135.6,323.9 172.297,323.943 149.468,324.024 178.971,324.14 182.582,324.14 147.451,324.147 140.093,324.182 185.8,324.5 97.442,324.536 101.053,324.536 124.674,324.569 129.568,324.585 105.947,324.601 109.558,324.601 151.3,324.7 142.154,324.761 153.062,324.818 180.78,325.04 170.466,325.07 174.077,325.07 160.661,325.097 162.647,325.135 154.848,325.34 99.244,325.436 122.865,325.452 107.756,325.501 215.056,325.679 148.351,325.706 211.946,325.82 178.971,325.94 182.582,325.94 172.268,325.97 149.866,325.973 152.382,325.986 218.268,326.162 131.45,326.187 140.97,326.301 143.054,326.32 97.442,326.336 101.053,326.336 124.674,326.369 105.947,326.401 109.558,326.401 129.568,326.385 166.271,326.419 159.752,326.65 136.2,326.8 161.768,326.787 180.78,326.84 170.466,326.87 174.077,326.87 113.5,327 118.1,327 188.6,327 99.244,327.236 107.756,327.301 122.924,327.325 151.601,327.548 178.971,327.74 182.582,327.74 172.268,327.77 143.954,327.879 141.937,328.004 97.442,328.136 101.053,328.136 124.789,328.166 129.744,328.177 105.947,328.201 109.558,328.201 158.843,328.204 160.859,328.34 150.273,328.373 153.041,328.453 139.5,328.6 180.78,328.64 170.466,328.67 174.077,328.67 132.016,328.872 99.244,329.036 107.756,329.101 151.65,329.113 168.171,329.119 123.175,329.283 163.871,329.319 144.854,329.438 215.056,329.479 178.971,329.54 182.582,329.54 142.837,329.563 172.268,329.57 185.8,329.6 157.934,329.758 130.329,329.879 159.949,329.895 125.14,329.931 97.442,329.936 101.053,329.936 218.268,329.962 105.947,330.001 109.558,330.001 133.649,330.142 135.693,330.351 137.584,330.406 180.78,330.44 170.466,330.47 174.077,330.47 139.648,330.595 143.8,330.7 99.244,330.836 107.756,330.901 145.754,330.997 158.8,331 141.743,331.127 123.706,331.26 157.024,331.31 178.971,331.34 182.582,331.34 172.268,331.37 131.281,331.407 166.271,331.419 125.749,331.625 97.442,331.736 101.053,331.736 105.947,331.801 109.558,331.801 161.874,331.916 113.5,332 118.8,332 188.6,332 132.946,332.091 143.68,332.076 159.759,332.082 134.745,332.136 136.545,332.182 138.344,332.232 180.78,332.24 170.466,332.27 174.077,332.27 144.971,332.349 157.727,332.38 140.13,332.46 99.244,332.636 107.756,332.701 141.83,333.051 124.518,333.149 178.971,333.14 182.582,333.14 172.268,333.17 126.589,333.217 215.056,333.279 97.442,333.536 101.053,333.536 105.947,333.601 109.558,333.601 160.861,333.71 162.997,333.758 218.268,333.762 158.807,333.821 250.4,333.9 143.371,333.98 180.78,334.04 170.466,334.07 174.077,334.07 168.171,334.119 99.244,334.436 185.8,334.6 127.641,334.677 125.582,334.898 178.971,334.94 182.582,334.94 172.268,334.97 144.694,335.201 97.442,335.336 101.053,335.336 107.756,335.348 159.756,335.35 105.947,335.401 161.809,335.436 163.923,335.676 121.6,335.7 146.801,335.72 154.132,335.712 180.78,335.84 170.466,335.87 174.077,335.87 128.912,335.952 148.9,336.1 99.244,336.236 166.271,336.419 126.902,336.482 145.746,336.662 178.971,336.74 182.582,336.74 130.52,336.761 172.268,336.77 160.55,336.966 109.558,336.989 132.308,336.971 113.5,337 134.107,337.016 135.906,337.062 215.056,337.079 137.706,337.107 188.6,337.1 97.442,337.136 101.053,337.136 155.169,337.184 105.947,337.201 162.586,337.235 147.7,337.3 139.486,337.373 129.2,337.5 218.268,337.562 180.78,337.64 164.665,337.656 170.466,337.67 174.077,337.67 99.289,338.08 108.104,338.192 146.526,338.31 178.971,338.54 182.582,338.54 172.268,338.57 154.1,338.6 117.433,338.661 119.233,338.661 121.033,338.661 122.833,338.661 124.633,338.661 126.433,338.661 128.233,338.661 130.033,338.661 131.833,338.661 133.633,338.661 135.433,338.661 161.193,338.647 156.001,338.78 101.141,338.934 106.158,338.988 137.3,339 139,339.1 163.198,339.096 97.534,339.112 168.171,339.119 180.78,339.44 170.466,339.47 174.077,339.47 253.692,339.498 185.8,339.6 165.235,339.707 109.518,339.843 99.571,340.066 247.617,340.17 140.305,340.195 178.971,340.34 182.582,340.34 172.268,340.37 161.687,340.378 118.333,340.463 120.133,340.463 121.933,340.463 123.733,340.463 125.533,340.463 127.333,340.463 129.133,340.463 130.933,340.463 132.733,340.463 134.533,340.463 156.646,340.46 137.3,340.5 107.088,340.529 101.565,340.684 154.7,340.7 215.056,340.879 163.643,341.015 180.78,341.24 170.466,341.27 174.077,341.27 218.268,341.362 98.055,341.533 142.532,341.565 108.533,341.602 165.619,341.831 149.464,341.949 100.251,342.096 162.021,342.147 178.971,342.14 182.582,342.14 140.83,342.153 172.268,342.17 110.235,342.19 188.6,342.2 157.073,342.209 139.032,342.238 115.633,342.272 117.433,342.272 119.233,342.272 121.033,342.272 122.833,342.272 124.633,342.272 126.433,342.272 128.233,342.272 130.033,342.272 131.833,342.272 133.633,342.272 135.433,342.272 137.233,342.272 112.033,342.28 113.833,342.28 102.331,342.312 150.96,342.386 155.198,342.559 153.3,342.8 163.905,342.95 148.017,343.02 180.78,343.04 170.466,343.07 174.077,343.07 250.5,343.2 253.651,343.298 103.413,343.751 149.979,343.805 99.064,343.85 165.789,343.882 246.912,343.904 162.179,343.94 178.971,343.94 182.582,343.94 101.331,343.96 172.268,343.97 157.287,343.996 168.171,344.119 153.679,344.238 146.849,344.39 152.04,344.481 215.056,344.679 185.8,344.7 164.001,344.825 180.78,344.84 170.466,344.87 174.077,344.87 104.745,344.962 148.621,345.075 218.291,345.161 145.447,345.518 102.748,345.569 150.497,345.677 162.207,345.74 165.818,345.74 178.971,345.74 182.582,345.74 172.268,345.77 157.313,345.796 155.492,345.857 100.527,345.921 106.257,345.938 143.854,346.357 147.136,346.459 107.916,346.637 164.016,346.64 180.78,346.64 170.466,346.67 174.077,346.67 269.195,346.653 221.7,346.84 225.5,346.84 229.3,346.84 233.1,346.84 236.9,346.84 240.7,346.84 244.5,346.84 104.402,346.879 142.136,346.892 254.59,346.98 109.667,347.051 140.346,347.089 138.548,347.152 111.548,347.172 113.348,347.158 115.148,347.166 116.948,347.166 118.748,347.166 120.548,347.166 122.348,347.166 124.148,347.166 125.948,347.166 127.748,347.166 129.548,347.166 131.348,347.166 133.148,347.166 134.948,347.166 136.748,347.166 149.113,347.203 188.6,347.2 162.207,347.54 165.818,347.54 178.971,347.54 182.582,347.54 172.268,347.57 145.341,347.601 153.702,347.596 157.313,347.596 102.316,347.634 106.244,347.881 267.04,347.868 271.14,347.968 151.5,348 216.536,348.179 143.363,348.387 164.016,348.44 180.78,348.44 170.466,348.47 174.077,348.47 155.504,348.496 108.232,348.558 197.495,348.553 147.129,348.713 141.372,348.793 110.342,348.894 139.486,348.928 104.298,348.972 117.848,348.975 119.648,348.975 121.448,348.975 123.248,348.975 125.048,348.975 126.848,348.975 128.648,348.975 130.448,348.975 132.248,348.975 134.048,348.975 135.848,348.975 137.655,348.968 168.171,349.119 162.207,349.34 165.818,349.34 178.971,349.34 182.582,349.34 172.268,349.37 153.702,349.396 157.313,349.396 195.34,349.768 144.928,349.804 185.8,349.8 199.44,349.868 106.514,349.965 219.85,350.04 223.65,350.052 227.45,350.052 231.25,350.052 235.05,350.052 238.85,350.052 242.65,350.052 164.016,350.24 180.78,350.24 266.895,350.253 170.466,350.27 174.077,350.27 155.504,350.296 271.195,350.353 142.531,350.481 108.837,350.566 249.019,350.56 253.364,350.577 140.473,350.698 116.948,350.777 118.748,350.777 120.548,350.777 122.348,350.777 124.148,350.777 125.948,350.777 127.748,350.777 129.548,350.777 131.348,350.777 133.148,350.777 134.948,350.777 136.748,350.777 138.576,350.763 150,350.8 162.207,351.14 165.818,351.14 178.971,351.14 182.582,351.14 153.702,351.196 157.313,351.196 269.095,351.553 174.077,352.07 195.195,352.153 188.6,352.2 199.495,352.253 162.207,352.94 178.971,352.94 157.313,352.996 115.4,353.3 120.4,353.3 125.4,353.3 130.4,353.3 135.4,353.3 140.4,353.3 145.4,353.3 150.4,353.3 197.395,353.453 174.085,353.87 168.171,354.119 162.196,354.74 178.963,354.74 157.319,354.796 185.8,354.8 152.9,355.477 112.9,355.5 117.9,355.5 122.9,355.5 127.9,355.5 132.9,355.5 137.9,355.5 142.9,355.5 147.9,355.5 174.085,355.67
  other v2: 160.343,218.347 159.243,219.447 161.443,219.447 159.243,220.547 160.343,220.547 161.443,220.547 158.658,242.723 159.758,242.723 158.658,243.823 160.858,243.823 159.758,244.923 151.5,332.9
  other v3: 184.995,203.853 197.895,204.053 117.195,204.353 245.695,254.453 117.895,258.053 185.195,259.553 216.795,267.953 117.695,286.753 185.295,287.153 269.995,301.053 269.095,349.153 197.395,351.053
IF1: CM13.2 PM1.2 RM1.1 | length 5.7
  Top Layer w0.6: PM1.2@135.503,312.588 135.691,312.776 135.691,315.509 RM1.1@135.691,318.176
IF2: CM23.2 PM2.2 RM2.1 | length 5.9
  Top Layer w0.6: PM2.2@150.362,312.334 150.423,312.395 RM2.1@150.423,318.176
IF3: CM33.2 PM3.2 RM3.1 | length 5.7
  Top Layer w0.6: PM3.2@169.158,312.715 169.219,312.776 RM3.1@169.219,318.43
IF4: CM43.2 PM4.2 RM4.1 | length 5.8
  Top Layer w0.6: PM4.2@184.652,312.715 184.84,312.903 RM4.1@184.84,318.43
ix: CA3.1 CB4.1 PC2.1 | length 115
  Top Layer w0.381: CB4.1@249.301,338.449 249.301,342.722 ccw(c247.133,342.722) 248.666,344.255 248.648,344.273 cw(c250.444,346.069) 247.904,346.069 PC2.1@247.904,348.446 220.127,348.446 ccw(c220.127,345.906) 218.331,347.702 217.406,346.777 ccw(c219.202,344.981) 216.662,344.981 216.662,322.701 ccw(c223.494,322.701) 218.663,317.87 227.107,309.426 ccw(c231.018,313.338) 231.018,307.806 246.059,307.806 cw(c246.059,303.965) 248.775,306.681 250.97,304.486 cw(c249.174,302.69) 251.714,302.69 CA3.1@251.714,298.19
  other v5: 251.714,300.567 249.301,341.334
LD1: D1.2 R14.1 | length 2.2
  Top Layer w0.5: D1.2@139.21,246.56 141.22,246.56 R14.1@141.32,246.46
LD2: D2.2 R24.1 | length 2.4
  Top Layer w0.5: R24.1@178.67,216.78 180.98,216.78 D2.2@181.03,216.73
LE1: R48.1 R49.1 R410.2 U1.3 | length 12.3
  Top Layer w0.254: U1.3@162.158,243.073 165.773,243.073 167.22,244.52 170.45,244.52 R410.2@170.6,244.37 ; R48.1@172.48,244.37 R48.1@172.5,244.39
  Top Layer w0.5: R410.2@170.56,244.37 R48.1@172.48,244.37 ; R48.1@172.5,244.39 R49.1@172.5,245.66
LE1A: P1.2 P2.2 R49.2 | length 5.9
  Top Layer w0.5: R49.2@174.4,245.66 174.4,245.593 174.85,245.143 175.958,245.143 176.229,244.872 P2.2@179.7,244.872 ; P2.2@179.833,245.005 P2.2@180.016,244.821
LE2: R411.2 R412.1 R413.1 U2.3 | length 16.1
  Top Layer w0.254: R413.1@146.06,217.34 R413.1@146.08,217.32 ; R412.1@146.35,215.35 146.35,215.502 R412.1@146.653,215.805 ; R411.2@147.76,217.34 148.4,216.7 150.83,216.7 154.327,220.197 U2.3@157.943,220.197
  Top Layer w0.5: R413.1@146.06,217.34 R411.2@147.76,217.34 ; R412.1@146.08,215.46 R413.1@146.08,217.32
LE2A: P4.4 R412.2 | length 2.6
  Top Layer w0.5: P4.4@141.91,216.11 142.08,215.94 143.73,215.94 144.18,215.49 R412.2@144.18,215.46
NetC01_1: C01.1 Q01.3 Q02.3 R01.1 R02.2 | length 9.5
  Top Layer w0.5: R01.1@130.799,234.835 132.327,234.835 132.606,235.114 132.831,235.114 134.994,235.114 135.879,234.229 Q01.3@135.879,233.714 Q02.3@139.308,233.714